# Altium PCB 6 Layers Motherboard.PcbDoc (part 1 of 2) (continued)
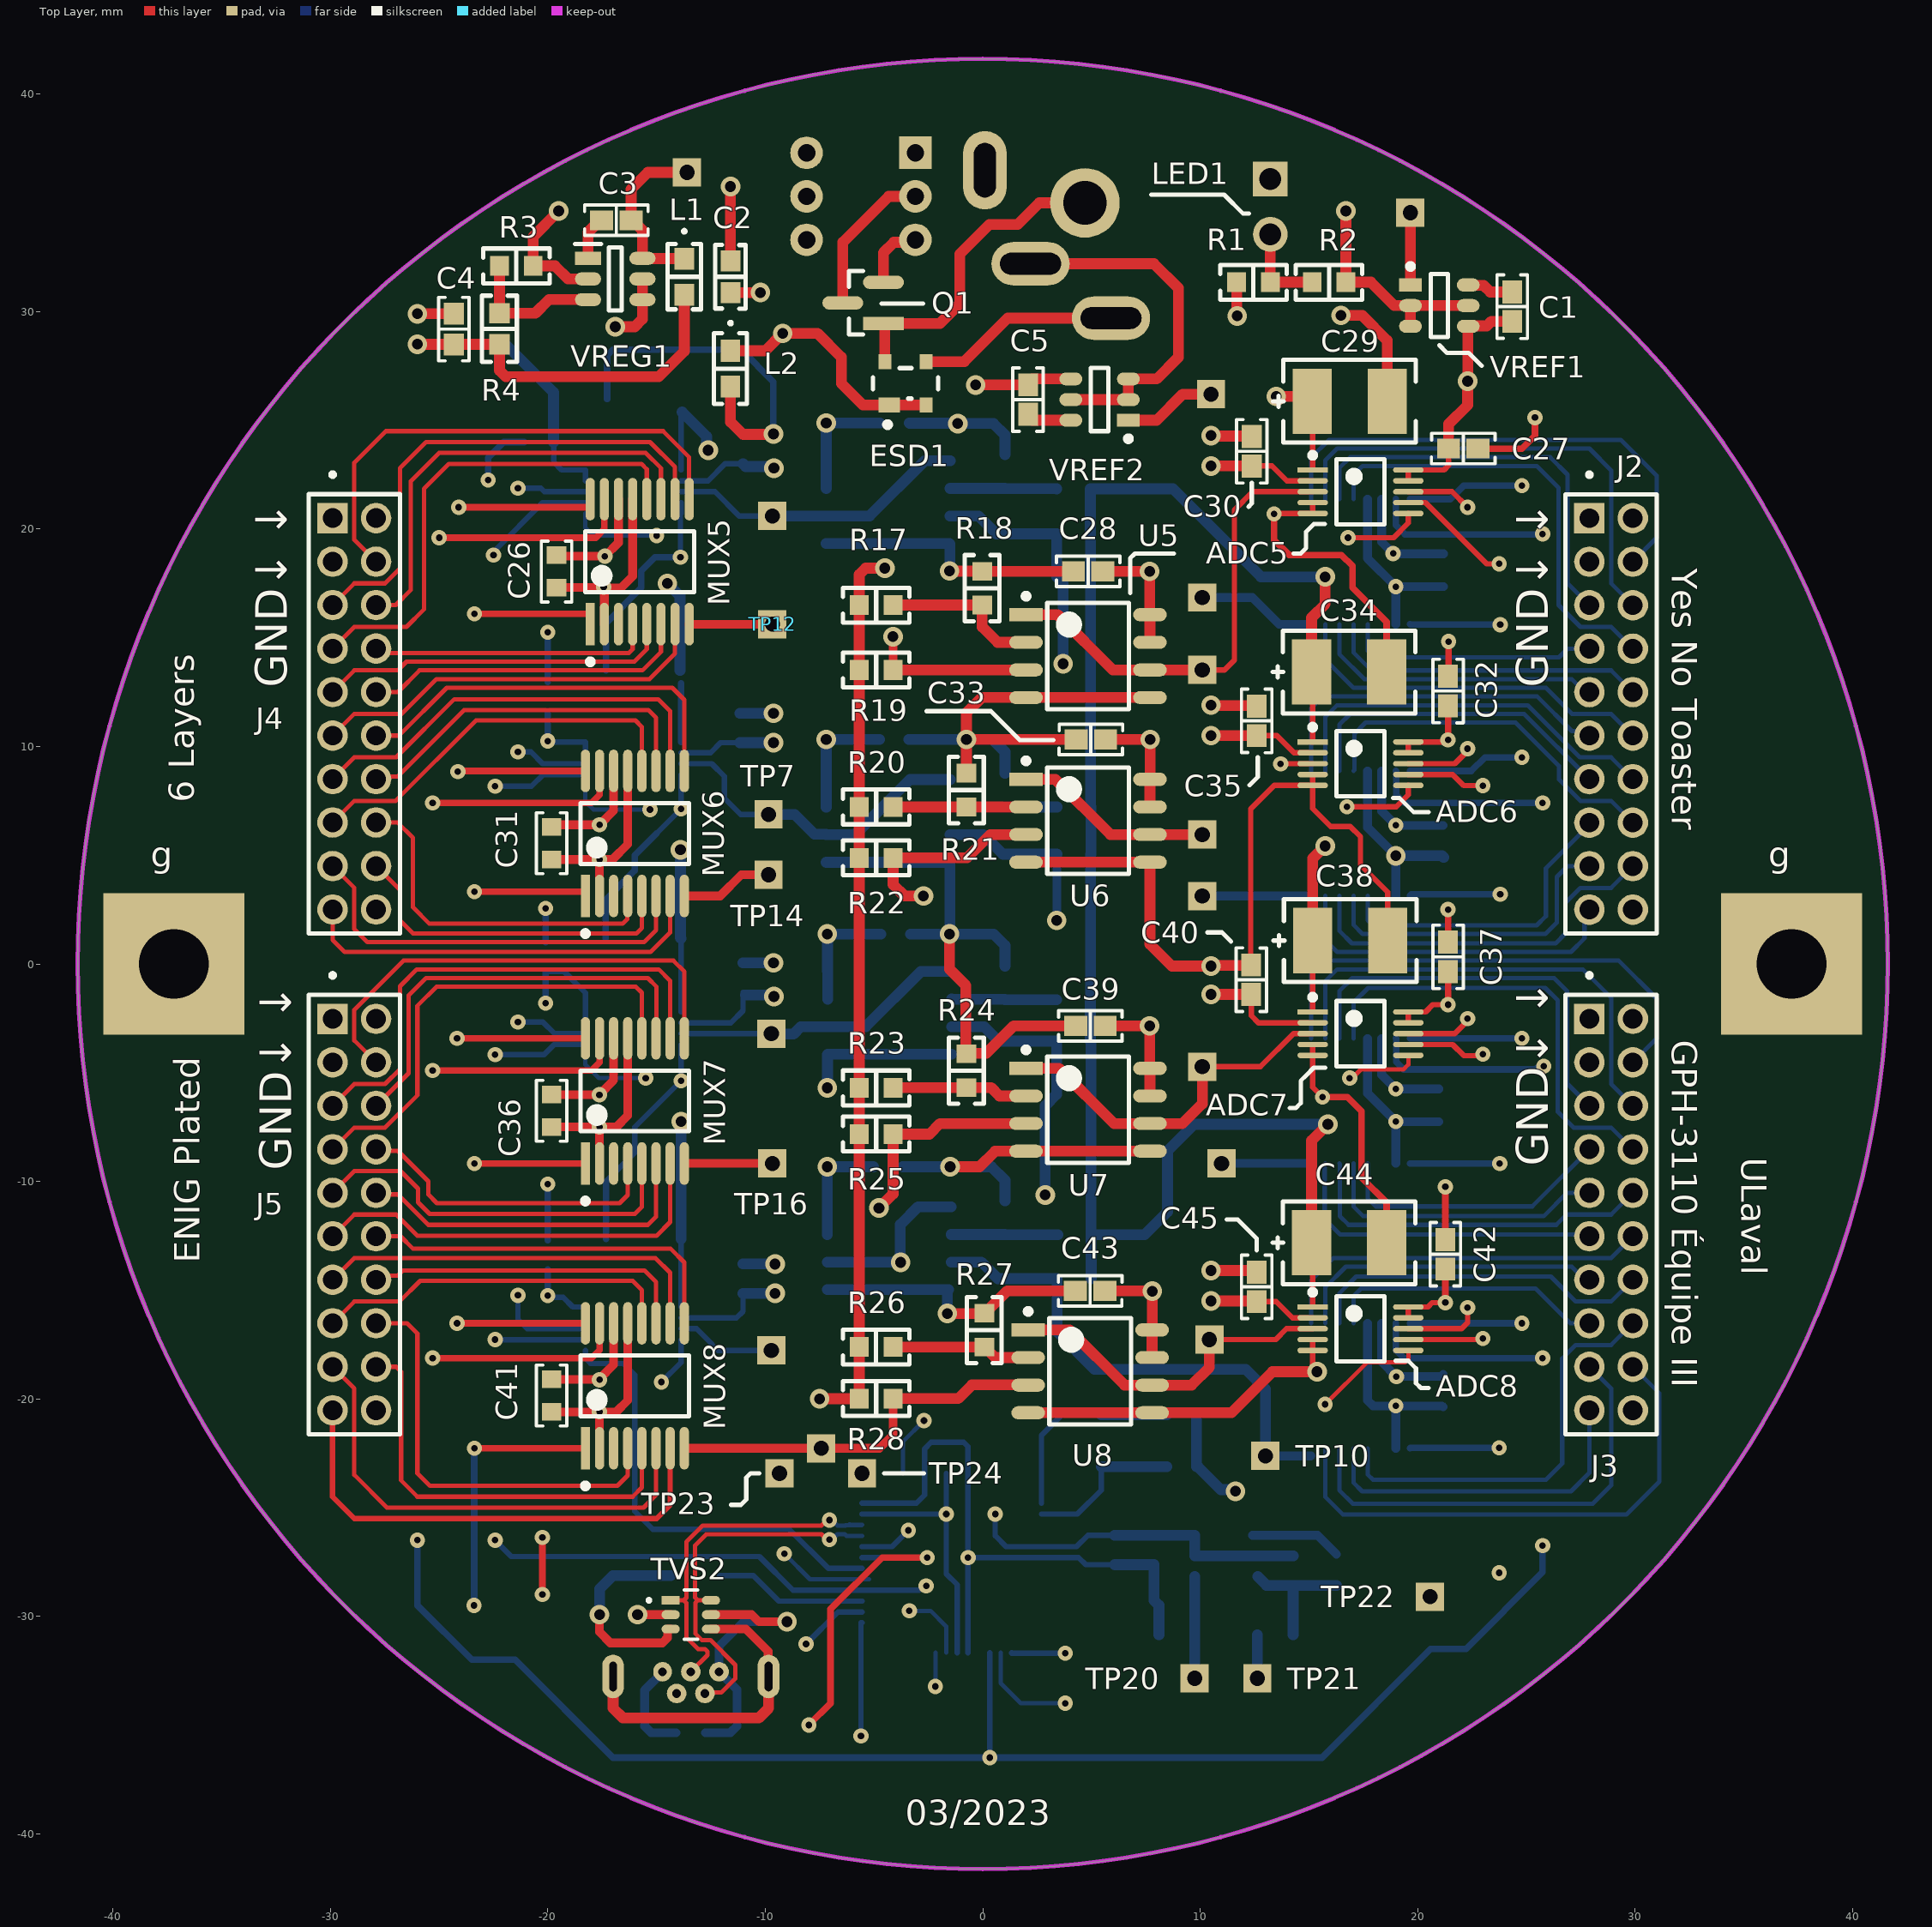
[diagram p0: Top Layer view]
## Part data (continued)
C10 C15 C20: library part "Cap Ceramic 1 uF SMT 0603", "1 µF ±10% 16V Ceramic Capacitor X7R 0603 (1608 Metric)", Case Code (Imperial)=0603, Dielectric=XR7, Max Operating Temperature=125°C, Min Operating Temperature=-55°C, Resistor Type=Ceramic, Supplier Part Number 1=13-CC0603KPX7R7BB105CT-ND, Tolerance=10%, Voltage Rating (DC)=16V, Construction=Flat, Height=0.8mm, Length=1.6mm, Supplier 1=Digi-Key, Supplier 2=Digi-Key, Supplier 3=Digi-Key, Supplier Part Number 2=13-CC0603KPX7R7BB105DKR-ND, Supplier Part Number 3=13-CC0603KPX7R7BB105TR-ND, Termination=SMT/SMD
C25 C30 C35 C40 C45: "1 µF ±10% 16V Ceramic Capacitor X7R 0603 (1608 Metric)", Case Code (Imperial)=0603, Dielectric=XR7, Max Operating Temperature=125°C, Min Operating Temperature=-55°C, Resistor Type=Ceramic, Supplier Part Number 1=13-CC0603KPX7R7BB105CT-ND, Tolerance=10%, Voltage Rating (DC)=16V, Construction=Flat, Height=0.8mm, Length=1.6mm, Supplier 1=Digi-Key, Supplier 2=Digi-Key, Supplier 3=Digi-Key, Supplier Part Number 2=13-CC0603KPX7R7BB105DKR-ND, Supplier Part Number 3=13-CC0603KPX7R7BB105TR-ND, Termination=SMT/SMD
C47: library part "Cap Ceramic 2.2 uF SMT 0603", "2.2 µF ±10% 6.3V Ceramic Capacitor X7R 0603 (1608 Metric)", Device Package="0603 (1608 Metric)", Manufacturer=Yageo, Operating Temperature="-55°C ~ 125°C", Supplier Part Number 1=311-1795-1-ND, Temperature Coefficient=X7R, Tolerance=±10%, Voltage - Rated=6.3V, Applications="General Purpose", ComponentLink1Description=Datasheet, ComponentLink2Description="DigiKey Link", ComponentLink2URL=https://www.digikey.com/en/products/detail/yageo/CC0603KRX7R5BB225/5195203, lastupdated="2023-03-06 20:08:32", Lifecycle Status=Active, Minimum Order=1, Mounting Type="Surface Mount, MLCC", Package / Case="0603 (1608 Metric)", Packaging=TapeAndReel, Part Number=CC0603KRX7R5BB225, Part Status=Active, partid=41539, price=0.01, Series=CC, Size / Dimension="0.063\" L x 0.031\" W (1.60mm x 0.80mm)", Supplier 1=Digi-Key, Supplier 2=Digi-Key, Supplier 3=Digi-Key, Supplier Part Number 2=311-1795-6-ND, Supplier Part Number 3=311-1795-2-ND, Thickness (Max)="0.035\" (0.90mm)"
C51 C52: library part "Cap Ceramic 20 pF SMT 0603", "20 pF ±5% 50V Ceramic Capacitor C0G, NP0 0603 (1608 Metric)", Capacitance="20 pF", Device Package="0603 (1608 Metric)", Manufacturer=Yageo, Operating Temperature="-55°C ~ 125°C", Supplier Part Number 1=311-1424-1-ND, Temperature Coefficient="C0G, NP0", Tolerance=±5%, Voltage - Rated=50V, Applications="General Purpose", ComponentLink1Description=Datasheet, ComponentLink1URL=https://www.yageo.com/upload/media/product/productsearch/datasheet/mlcc/UPY-GP_NP0_16V-to-50V_17.pdf, ComponentLink2Description="DigiKey Link", ComponentLink2URL=https://www.digikey.com/en/products/detail/yageo/CC0603JRNPO9BN200/2833589, lastupdated="2023-03-06 20:07:50", Lifecycle Status=Active, Minimum Order=1, Mounting Type="Surface Mount, MLCC", Package / Case="0603 (1608 Metric)", Packaging=TapeAndReel, Part Number=CC0603JRNPO9BN200, Part Status=Active, partid=16728, price=0.01, Series=CC, Size / Dimension="0.063\" L x 0.031\" W (1.60mm x 0.80mm)", Supplier 1=Digi-Key, Supplier 2=Digi-Key, Supplier 3=Digi-Key, Supplier Part Number 2=311-1424-6-ND, Supplier Part Number 3=311-1424-2-ND, Thickness (Max)="0.035\" (0.90mm)"
D1: library part "Schottky Diode 30V", "Schottky Diode 30 V 500mA Surface Mount SOD-323", Capacitance @ Vr, F="10pF @ 1V, 1MHz", Current - Average Rectified (Io)="500mA (DC)", Current - Reverse Leakage @ Vr="200µA @ 30V", Manufacturer="ON Semiconductor", Operating Temperature - Junction="-55°C ~ 150°C", Package / Case="SC-76, SOD-323", Supplier Device Package=SOD-323, Supplier Part Number 1=NSR0530HT1GOSCT-ND, Voltage - DC Reverse (Vr) (Max)=30V, Voltage - Forward (Vf) (Max) @ If="620mV @ 500mA", ComponentLink1Description=Datasheet, ComponentLink1URL=http://www.onsemi.com/pub/Collateral/NSR0530H-D.PDF, ComponentLink2Description="DigiKey Link", ComponentLink2URL=http://digikey.com/product-detail/en/on-semiconductor/NSR0530HT1G/NSR0530HT1GOSCT-ND/5761654, Diode Type=Schottky, lastupdated="2023-03-06 21:08:52", Lifecycle Status=Active, Minimum Order=1, Mounting Type="Surface Mount", Packaging=TapeAndReel, Part Number=NSR0530HT1G, Part Status=Active, partid=3077, price=0.03, Series=-, Speed="Fast Recovery =< 500ns, > 200mA (Io)", Supplier 1=Digi-Key, Supplier 2=Digi-Key, Supplier 3=Digi-Key, Supplier Part Number 2=NSR0530HT1GOSDKR-ND, Supplier Part Number 3=NSR0530HT1GOSTR-ND
ESD1: library part "TVS Diode Array Ultra-Low Capacitance", "Clamp Ipp Tvs Diode Surface Mount SOT-143B", Supplier Part Number 1=1727-3884-1-ND, Supplier 1=Digi-Key, Supplier 2=Digi-Key, Supplier 3=Digi-Key, Supplier Part Number 2=1727-3884-6-ND, Supplier Part Number 3=1727-3884-2-ND
FB1 FB2: library part "Ferrite Bead 0R SMD 0603", "0Ω 1 Power Line Ferrite Bead 0603 (1608 Metric) 6A 20mOhm", Current Rating (Max)=6A, DC Resistance (DCR) (Max)=20mOhm, Device Package="0603 (1608 Metric)", Impedance @ Frequency="0 Ohms @ 100 MHz", Manufacturer="Eaton - Electronics Division", Operating Temperature="-40°C ~ 85°C", Supplier Part Number 1=283-MFBM1V1608-000-RCT-ND, ComponentLink1Description=Datasheet, ComponentLink1URL=https://www.eaton.com/content/dam/eaton/products/electronic-components/resources/data-sheet/eaton-mfbm1v1608-high-current-multilayer-ferrite-chip-bead-data-sheet.pdf, ComponentLink2Description="DigiKey Link", ComponentLink2URL=https://www.digikey.com/en/products/detail/eaton-electronics-division/MFBM1V1608-000-R/13161356, Filter Type="Power Line", Height (Max)="0.039\" (1.00mm)", lastupdated="2023-03-12 7:51:35 PM", Lifecycle Status=Active, Minimum Order=1, Mounting Type="Surface Mount", Number of Lines=1, Package / Case="0603 (1608 Metric)", Packaging=TapeAndReel, Part Number=MFBM1V1608-000-R, Part Status=Active, partid=2605, price=0.01, Series=MFBM1V1608, Size / Dimension="0.063\" L x 0.031\" W (1.60mm x 0.80mm)", Supplier 1=Digi-Key, Supplier 2=Digi-Key, Supplier Part Number 2=283-MFBM1V1608-000-RDKR-ND
J1: library part "DC Power Jack 2.5 mm Vertical", "Power Barrel Connector Jack 2.50mm ID (0.098\"), 5.50mm OD (0.217\") Through Hole", Current Rating=5A, Max Operating Temperature=85°C, Min Operating Temperature=-25°C, Supplier Part Number 1=102-5562-1-ND, Voltage Rating=25V, Contact Material="Brass, Copper Alloy", Contact Material - Plating=Silver, Housing Material="Polyamide (PA10T), Nylon 10T", Shielding=Shielded, Supplier 1=Digi-Key, Supplier 2=Digi-Key, Supplier Part Number 2=102-5562-2-ND
J2 J3 J4 J5: library part "Headers 20 Pos TH 0.079\" 4-3", "Connector Header Through Hole 20 position 0.079\" (2.00mm)", Supplier Part Number 1=2073-BF050-20-A-B-0400-0300-L-G-ND, Supplier 1=Digi-Key
L1 L2: library part "Inductor 4.7 µH SMT 0603", "4.7 µH Shielded Multilayer Inductor 15 mA 2.1Ohm Max 0603 (1608 Metric)", Case Code (Imperial)=1206, Max Operating Temperature=125°C, Min Operating Temperature=-55°C, Self Resonant Frequency=41MHz, Supplier Part Number 1=541-4369-1-ND, Tolerance=10%, ComponentLink1Description=Datasheet, ComponentLink1URL=https://www.vishay.com/docs/34029/ilsb1206.pdf, Core Material=Ferrite, Depth=1.8mm, Supplier 1=Digi-Key, Supplier 2=Digi-Key, Supplier Part Number 2=541-4369-6-ND, Weight=0.000353oz, Width=1.6mm
LED1: library part "LED Green 3mm Vertical", "Green 530nm LED Indication - Discrete 3.2V Radial", Operating Voltage=3.2V, Supplier Part Number 1=732-5012-ND, Supplier 1=Digi-Key
M1 M2: library part "Standoff M3 7mm", "Hex Standoff Threaded M3x0.5 Brass 0.276\" (7.00mm)", Supplier Part Number 1=952-1498-ND, Supplier 1=Digi-Key
MUX1 MUX2 MUX3 MUX4 MUX5 MUX6 MUX7 MUX8: library part "MUX Analog 8:1", "5-V, 8: 1, 1-channel general-purpose analog multiplexer with 1.8-V input logic 16-TSSOP -40 to 125", Supplier Part Number 1=296-51847-1-ND, ComponentLink1Description=Datasheet, ComponentLink1URL=https://www.ti.com/lit/ds/symlink/tmux1208.pdf?HQS=dis-dk-null-digikeymode-dsf-pf-null-wwe&ts=1678139087624&ref_url=https%253A%252F%252Fwww.ti.com%252Fgeneral%252Fdocs%252Fsuppproductinfo.tsp%253FdistId%253D10%2526gotoUrl%253Dhttps%253A%252F%252Fwww.ti.com%252Flit%252Fgpn%252Ftmux1208, Supplier 1=Digi-Key, Supplier 2=Digi-Key, Supplier 3=Digi-Key, Supplier Part Number 2=296-51847-6-ND, Supplier Part Number 3=296-51847-2-ND
Q1: library part "MOSFET P-Channel 30V SMD", "P-Channel 30 V 2.3A (Ta) 1.25W (Ta) Surface Mount Micro3™/SOT-23", Current - Continuous Drain (Id) @ 25°C="2.3A (Ta)", Drain to Source Voltage (Vdss)="30 V", Drive Voltage (Max Rds On,  Min Rds On)="4.5V, 10V", Input Capacitance (Ciss) (Max) @ Vds="160 pF @ 25 V", Manufacturer="Infineon Technologies", Operating Temperature="-55°C ~ 150°C (TJ)", Package / Case="TO-236-3, SC-59, SOT-23-3", Power Dissipation (Max)="1.25W (Ta)", Supplier Device Package=Micro3™/SOT-23, Supplier Part Number 1=IRLML9303TRPBFCT-ND, ComponentLink1Description=Datasheet, ComponentLink1URL=https://www.infineon.com/dgdl/irlml9303pbf.pdf?fileId=5546d462533600a401535668ef1d2642, ComponentLink2Description="DigiKey Link", ComponentLink2URL=https://www.digikey.com/en/products/detail/infineon-technologies/IRLML9303TRPBF/2354147, FET Type=P-Channel, Gate Charge (Qg) (Max) @ Vgs="2 nC @ 4.5 V", lastupdated="2023-03-05 21:05:43", Lifecycle Status=Active, Minimum Order=1, Mounting Type="Surface Mount", Packaging=TapeAndReel, Part Number=IRLML9303TRPBF, Part Status=Active, price=0.11, Rds On (Max) @ Id, Vgs="165mOhm @ 2.3A, 10V", Series=HEXFET®, Supplier 1=Digi-Key, Supplier 2=Digi-Key, Supplier 3=Digi-Key, Supplier Part Number 2=IRLML9303TRPBFDKR-ND, Supplier Part Number 3=IRLML9303TRPBFTR-ND, Technology="MOSFET (Metal Oxide)", Vgs (Max)=±20V, Vgs(th) (Max) @ Id="2.4V @ 10µA"
R1: library part "Res 2K61 1% SMT 0603", "2.61 kOhms ±1% 0.1W, 1/10W Chip Resistor 0603 (1608 Metric) Moisture Resistant Thick Film", Device Package="0603 (1608 Metric)", Manufacturer=Yageo, Operating Temperature="-55°C ~ 155°C", Power (Watts)="0.1W, 1/10W", Resistance=2K61, Supplier Device Package=0603, Supplier Part Number 1=311-2.61KHRCT-ND, Temperature Coefficient=±100ppm/°C, Tolerance=±1%, ComponentLink1Description=Datasheet, ComponentLink1URL=https://www.yageo.com/upload/media/product/productsearch/datasheet/rchip/PYu-RC_Group_51_RoHS_L_10.pdf, ComponentLink2Description="DigiKey Link", ComponentLink2URL=https://www.digikey.com/en/products/detail/yageo/RC0603FR-072K61L/727030, Composition="Thick Film", Features="Moisture Resistant", Height - Seated (Max)="0.022\" (0.55mm)", lastupdated="2023-03-10 20:29:10", Lifecycle Status=Active, Minimum Order=1, Number of Terminations=2, Package / Case="0603 (1608 Metric)", Packaging=CutTape, Part Number=RC0603FR-072K61L, Part Status=Active, partid=19094, price=0.01, Series=RC_L, Size / Dimension="0.063\" L x 0.031\" W (1.60mm x 0.80mm)", Supplier 1=Digi-Key, Supplier 2=Digi-Key, Supplier 3=Digi-Key, Supplier Part Number 2=311-2.61KHRDKR-ND, Supplier Part Number 3=311-2.61KHRTR-ND
R2: library part "Res 4K64 1% SMT 0603", "4.64 kOhms ±1% 0.1W, 1/10W Chip Resistor 0603 (1608 Metric) Moisture Resistant Thick Film", Device Package="0603 (1608 Metric)", Manufacturer=Yageo, Operating Temperature="-55°C ~ 155°C", Power (Watts)="0.1W, 1/10W", Resistance=4K64, Supplier Device Package=0603, Supplier Part Number 1=311-4.64KHRCT-ND, Temperature Coefficient=±100ppm/°C, Tolerance=±1%, ComponentLink1Description=Datasheet, ComponentLink1URL=https://www.yageo.com/upload/media/product/productsearch/datasheet/rchip/PYu-RC_Group_51_RoHS_L_10.pdf, ComponentLink2Description="DigiKey Link", ComponentLink2URL=https://www.digikey.com/en/products/detail/yageo/RC0603FR-074K64L/727211, Composition="Thick Film", Features="Moisture Resistant", Height - Seated (Max)="0.022\" (0.55mm)", lastupdated="2023-03-10 20:29:36", Lifecycle Status=Active, Minimum Order=1, Number of Terminations=2, Package / Case="0603 (1608 Metric)", Packaging=CutTape, Part Number=RC0603FR-074K64L, Part Status=Active, partid=12437, price=0.01, Series=RC_L, Size / Dimension="0.063\" L x 0.031\" W (1.60mm x 0.80mm)", Supplier 1=DigiKey
R3: "RES 22.1K OHM 1% 1/10W 0603", Device Package="0603 (1608 Metric)", Manufacturer=Yageo, Operating Temperature="-55°C ~ 155°C", Part Number=RC0603FR-0722K1L, Power (Watts)="0.1W, 1/10W", Resistance=22K1, Supplier Device Package=0603, Supplier Part Number 1=311-22.1KHRCT-ND, Temperature Coefficient=±100ppm/°C, Tolerance=±1%, ComponentLink1Description=Datasheet, ComponentLink1URL=https://www.yageo.com/upload/media/product/productsearch/datasheet/rchip/PYu-RC_Group_51_RoHS_L_10.pdf, ComponentLink2Description="DigiKey Link", ComponentLink2URL=https://www.digikey.com/en/products/detail/yageo/RC0603FR-0722K1L/727058, Composition="Thick Film", Features="Moisture Resistant", Height - Seated (Max)="0.022\" (0.55mm)", lastupdated="2023-03-08 20:29:23", Lifecycle Status=Active, Minimum Order=1, Number of Terminations=2, Package / Case="0603 (1608 Metric)", Packaging=CutTape, Part Status=Active, partid=19017, price=0.01, Series=RC_L, Size / Dimension="0.063\" L x 0.031\" W (1.60mm x 0.80mm)", Supplier 1=Digi-Key, Supplier 2=Digi-Key, Supplier 3=Digi-Key, Supplier Part Number 2=311-22.1KHRDKR-ND, Supplier Part Number 3=311-22.1KHRTR-ND
R4: "88.7 kΩ ±1% 0.1W, 1/10W Chip Resistor 0603 (1608 Metric) Automotive AEC-Q200 Thick Film", Device Package="0603 (1608 Metric)", Manufacturer="Vishay Dale", Operating Temperature="-55°C ~ 155°C", Part Number=CRCW060388K7FKEB, Power (Watts)="0.1W, 1/10W", Ratings=AEC-Q200, Resistance=88K7, Supplier Device Package=0603, Supplier Part Number 1=541-CRCW060388K7FKEBCT-ND, Temperature Coefficient=±100ppm/°C, Tolerance=±1%, ComponentLink1Description=Datasheet, ComponentLink1URL=http://www.vishay.com/docs/20035/dcrcwe3.pdf, ComponentLink2Description="DigiKey Link", ComponentLink2URL=https://www.digikey.com/en/products/detail/vishay-dale/CRCW060388K7FKEB/5073407, Composition="Thick Film", Features="Automotive AEC-Q200", Height - Seated (Max)="0.020\" (0.50mm)", lastupdated="2023-03-06 20:27:22", Lifecycle Status=Active, Minimum Order=1, Number of Terminations=2, Package / Case="0603 (1608 Metric)", Packaging=CutTape, Part Status=Active, partid=56612, price=0.01, Series=CRCW, Size / Dimension="0.063\" L x 0.033\" W (1.60mm x 0.85mm)", Supplier 1=Digi-Key, Supplier 2=Digi-Key, Supplier Part Number 2=541-CRCW060388K7FKEBDKR-ND
R5 R6 R7 R8 R9 R10 R11 R12 R13 R14 R15 R16 R17 R18 R19 R20 R21 R22 R23 R24 R25 R26 R27 R28: "10 kΩ  ±0.1% 0.1W, 1/10W Chip Resistor 0603 (1608 Metric) Thin Film", Device Package="0603 (1608 Metric)", Manufacturer=Yageo, Operating Temperature="-55°C ~ 155°C", Part Number=RT0603BRD0710KL, Power (Watts)="0.1W, 1/10W", Resistance=10K, Supplier Device Package=0603, Supplier Part Number 1=YAG1236CT-ND, Temperature Coefficient=±25ppm/°C, Tolerance=±0.1%, ComponentLink1Description=Datasheet, ComponentLink1URL=https://www.yageo.com/upload/media/product/productsearch/datasheet/rchip/PYu-RT_1-to-0.01_RoHS_L_11.pdf, ComponentLink2Description="DigiKey Link", ComponentLink2URL=https://www.digikey.com/en/products/detail/yageo/RT0603BRD0710KL/1072198, Composition="Thin Film", Height - Seated (Max)="0.022\" (0.55mm)", lastupdated="2023-03-06 20:27:57", Lifecycle Status=Active, Minimum Order=1, Number of Terminations=2, Package / Case="0603 (1608 Metric)", Packaging=TapeAndReel, Part Status=Active, partid=22611, price=0.03, Series=RT, Size / Dimension="0.063\" L x 0.031\" W (1.60mm x 0.80mm)", Supplier 1=Digi-Key, Supplier 2=Digi-Key, Supplier 3=Digi-Key, Supplier Part Number 2=YAG1236DKR-ND, Supplier Part Number 3=YAG1236TR-ND
S1: library part "SW DPDT Pushbutton V2", "Pushbutton Switch DPDT Standard Through Hole", Supplier Part Number 1=EG6030-ND, Code_IPC=SOT26A-6, Code_JEITA=SC-74, LatestRevisionDate=29-May-2009, LatestRevisionNote="IPC-7351 Footprint Added.", PackageDescription="6-Pin SOT-23 Package 0.95 mm Pitch, 2.7 mm Lead Span", PackageReference=SOT23-6, PackageVersion=Mar-2001, Published=24-Mar-1999, Publisher="Altium Limited", Supplier 1=Digi-Key
TVS2: "25V Clamp 6A (8/20µs) Ipp Tvs Diode Surface Mount SC-70-6", Supplier Part Number 1=RCLAMP0504FATCTCT-ND, Supplier 1=Digi-Key, Supplier 2=Digi-Key, Supplier 3=Digi-Key, Supplier Part Number 2=RCLAMP0504FATCTDKR-ND, Supplier Part Number 3=RCLAMP0504FATCTTR-ND
U1 U2 U3: library part "Instrumentation Op Amp 35 MHz 8 pins", "Instrumentation Amplifier 1 Circuit Rail-to-Rail 8-SOIC", Supplier Part Number 1=MCP6N11-100E/SN-ND, Supplier 1=Digi-Key
U4 U5 U6 U7 U8: "Instrumentation Amplifier 1 Circuit Rail-to-Rail 8-SOIC", Supplier Part Number 1=MCP6N11-100E/SN-ND, Supplier 1=Digi-Key
USB1: library part "USB Micro-AB Connector A", "USB - Micro AB 2.0 Receptacle Connector 5 Position, Vertical, Through Hole with 2.30 mm (Standard) Shell Stakes, 5-Pin THD, RoHS, Tape and Reel", Supplier Part Number 1=18X0232, Supplier 1=Newark
VREF1 VREF3: "Series Voltage Reference IC Fixed 3.3V V ±0.1% 20 mA SOT-23-6", Case/Package=SOT-23-6, Max Operating Temperature=125°C, Min Operating Temperature=-40°C, Min Output Voltage=3.3V, Operating Supply Current=550μA, Output Current=20mA, Supplier Part Number 1=MCP1501T-33E/CHYCT-ND, Temperature Coefficient=50ppm/°C, Tolerance=0.08%, ComponentLink1Description=Datasheet, ComponentLink1URL=https://ww1.microchip.com/downloads/aemDocuments/documents/MSLD/ProductDocuments/DataSheets/MCP1501-Data-Sheet-DS20005474F.pdf, Output Type=Fixed, Reference Type=Series, Supplier 1=Digi-Key, Supplier 2=Digi-Key, Supplier 3=Digi-Key, Supplier Part Number 2=MCP1501T-33E/CHYDKR-ND, Supplier Part Number 3=MCP1501T-33E/CHYTR-ND
VREF2: "Series Voltage Reference IC Fixed 1.8V V ±0.1% 20 mA SOT-23-6", Case/Package=SOT-23-6, Max Operating Temperature=125°C, Min Operating Temperature=-40°C, Min Output Voltage=1.8V, Operating Supply Current=550μA, Output Current=20mA, Supplier Part Number 1=MCP1501T-18E/CHYCT-ND, Temperature Coefficient=50ppm/°C, Tolerance=0.08%, ComponentLink1Description=Datasheet, ComponentLink1URL=https://ww1.microchip.com/downloads/aemDocuments/documents/MSLD/ProductDocuments/DataSheets/MCP1501-Data-Sheet-DS20005474F.pdf, Output Type=Fixed, Reference Type=Series, Supplier 1=Digi-Key, Supplier 2=Digi-Key, Supplier Part Number 2=MCP1501T-18E/CHYDKR-ND
VREG1: "Buck Switching Regulator IC Positive Adjustable 1V 1 Output 1A SOT-23-6", Arrow Part Number=LMR50410YFQDBVRQ1, Manufacturer_Name="Texas Instruments", Mouser Part Number=595-MR50410YFQDBVRQ1, Supplier Part Number 1=296-LMR50410YFQDBVRQ1CT-ND, Arrow Price/Stock=https://www.arrow.com/en/products/lmr50410yfqdbvrq1/texas-instruments?region=nac, Datasheet Link=https://www.ti.com/product/LMR50410-Q1, Height=1.45mm, Manufacturer_Part_Number=LMR50410YFQDBVRQ1, Mouser Price/Stock=https://www.mouser.co.uk/ProductDetail/Texas-Instruments/LMR50410YFQDBVRQ1?qs=81r%252BiQLm7BRUAgUFqYZycA%3D%3D, Supplier 1=Digi-Key, Supplier 2=Digi-Key, Supplier 3=Digi-Key, Supplier Part Number 2=296-LMR50410YFQDBVRQ1DKR-ND, Supplier Part Number 3=296-LMR50410YFQDBVRQ1TR-ND
Y1: library part "Crystal Abracon ABS07", "32.768 kHz ±20ppm Crystal 6pF 55 kOhms 2-SMD, No Lead", ESR (Equivalent Series Resistance)="55 kOhms", Frequency="32.768 kHz", Frequency Tolerance=±20ppm, Load Capacitance=6pF, Manufacturer="Abracon LLC", Operating Mode=Fundamental, Operating Temperature="-40°C ~ 85°C", Package / Case="2-SMD, No Lead", Supplier Part Number 1=535-11937-1-ND, ComponentLink1Description=Datasheet, ComponentLink1URL=https://abracon.com/Resonators/ABS07-120-32.768kHz-T.pdf, ComponentLink2Description="DigiKey Link", ComponentLink2URL=https://www.digikey.com/en/products/detail/abracon-llc/ABS07-120-32-768KHZ-T/3724043, Height - Seated (Max)="0.035\" (0.90mm)", lastupdated="2023-03-06 20:57:22", Lifecycle Status=Active, Minimum Order=1, Mounting Type="Surface Mount", Packaging=TapeAndReel, Part Number=ABS07-120-32.768KHZ-T, Part Status=Active, partid=385, price=0.44, Series=ABS07, Size / Dimension="0.126\" L x 0.059\" W (3.20mm x 1.50mm)", Supplier 1=Digi-Key, Supplier 2=Digi-Key, Supplier 3=Digi-Key, Supplier Part Number 2=535-11937-6-ND, Supplier Part Number 3=535-11937-2-ND, Type="kHz Crystal (Tuning Fork)"

## Via types
v1: diameter 0.7, hole 0.3, Top Layer to Bottom Layer, 108 vias
v2: diameter 0.9, hole 0.5, Top Layer to Bottom Layer, 66 vias

## Nets (pads, with @x,y where several pads share a name; then routed paths per layer and width w, separated by ;. In a path a pad name is that pad's centre, name@x,y a point inside that pad or via, vN(x,y) a via of type N, cw(c..) or ccw(c..) an arc to the next point about the centre after c; other vN are vias at no path point)
+1.8: ADC1.2 ADC2.2 ADC3.2 ADC4.2 ADC5.2 ADC6.2 ADC7.2 ADC8.2 C10.1 C15.1 C20.1 C25.1 C30.1 C35.1 C40.1 C45.1 TP2.1 VREF2.1 | length 84.4
  Top Layer w0.25: C40.1@12.35,-1.402 12.35,-2.375 12.681,-2.706 ADC7.2@15.175,-2.706 ; C30.1@12.375,22.898 13.302,22.898 13.984,22.216 ADC5.2@15.175,22.216 ; C45.1@12.6,-15.527 13.502,-15.527 14.25,-16.275 ADC8.2@15.175,-16.275 ; C35.1@12.6,10.498 13.527,10.498 14.314,9.711 ADC6.2@15.175,9.711
  Top Layer w0.5: VREF2.1@6.7,25.002 8.002,25.002 9.2,26.2 TP2.1@10.5,26.2 ; v2(10.5,-15.5) C45.1@12.573,-15.5 ; v2@10.501,-1.401 C40.1@12.35,-1.402 ; v2(10.5,10.5) 10.501,10.499 C35.1@12.599,10.499 ; v2@10.501,22.899 C30.1@12.375,22.898
  Int2 (Sign) w0.5: v2@-9.55,-1.45 v2@10.45,-1.45 ; v2@-9.55,22.85 v2@10.45,22.85
  Bottom Layer w0.25: ADC4.2@-13.875,-16.277 -11.327,-16.277 -11.025,-15.975 C25.1@-11.025,-15.152 ; ADC3.2@-13.875,-2.706 -11.581,-2.706 -11.025,-2.15 C20.1@-11.025,-1.302 ; ADC2.2@-13.875,9.711 -12.514,9.711 -12.052,10.173 C15.1@-11.175,10.173 ; ADC1.2@-13.875,22.216 -12.634,22.216 -11.852,22.998 C10.1@-11.025,22.998
  Bottom Layer w0.5: C15.1@-11.175,10.173 -11.174,10.174 v2@-9.626,10.174 ; C10.1@-11.025,22.998 -10.904,22.877 v2@-9.677,22.877 ; C25.1@-11.024,-15.151 v2(-9.55,-15.15) ; C20.1@-10.904,-1.423 v2@-9.677,-1.423
  other v2: -9.6,-1.5 10.5,-1.4 -9.625,10.175 -9.6,22.8 10.5,22.9
+3.3: ADC1.1 ADC2.1 ADC3.1 ADC4.1 ADC5.1 ADC6.1 ADC7.1 ADC8.1 C9.2 C14.2 C19.2 C24.2 C29.2 C34.2 C38.2 C44.2 R5.1 R7.1 R8.1 R10.1 R11.1 R13.1 R14.1 R16.1 R17.1 R19.1 R20.1 R22.1 R23.1 R25.1 R26.1 R28.1 TP1.1 VREF1.1 | length 237.8
  Top Layer w0.25: C34.2@15.15,12.95 15.175,12.925 ADC6.1@15.175,10.211 ; ADC8.1@15.175,-15.775 C44.2@15.175,-12.875 ; ADC7.1@15.175,-2.206 C38.2@15.175,1.075 ; ADC5.1@15.175,22.716 C29.2@15.175,25.25
  Top Layer w0.5: v2@-7.495,-19.995 R28.1@-5.682,-19.995 ; R28.1@-5.677,-19.99 -5.678,-17.616 R26.1@-5.679,-17.615 -5.678,-17.614 R25.1@-5.677,-7.825 ; R25.1@-5.677,-7.825 R23.1@-5.677,-5.7 R22.1@-5.677,4.875 R20.1@-5.677,7.22 R19.1@-5.677,13.52 R17.1@-5.677,16.502 -5.677,17.907 -5.384,18.2 v2(-4.5,18.2) ; v2(13.5,26.1) 14.525,26.1 C29.2@14.725,26.3 ; C44.2@15.125,-12.825 15.125,-8.125 v2(15.875,-7.375) ; C34.2@15.125,13.425 15.125,15.925 15.75,16.55 v2(15.75,17.8) ; C38.2@15.175,1.075 15.175,4.85 v2(15.75,5.425) ; VREF1.1@19.671,31.229 TP1.1@19.671,34.546
  Int2 (Sign) w0.5: v2(-13.875,-7.25) -13.875,-18.225 -12.1,-20 v2(-7.5,-20) ; v2(-12.625,23.625) -12.625,21.025 -9.8,18.2 v2(-4.5,18.2) -4.5,19.193 -2.993,20.7 9.9,20.7 12.8,17.8 v2(15.75,17.8) 15.75,20.95 13.5,23.2 13.5,29.3 15.55,31.35 18.133,31.35 19.671,32.888 TP1.1@19.671,34.546
  Bottom Layer w0.25: ADC4.1@-13.875,-15.777 C24.2@-13.875,-12.65 ; ADC3.1@-13.875,-2.206 C19.2@-13.875,0.925 ; ADC1.1@-13.875,22.716 C9.2@-13.875,25.35
  Bottom Layer w0.3: ADC2.1@-13.875,10.211 C14.2@-13.875,12.9
  Bottom Layer w0.5: v2(-14.5,17.5) -13.925,16.925 C14.2@-13.925,13.5 ; v2(-13.9,5.25) -13.9,1.2 C19.2@-13.875,1.175 ; C24.2@-13.875,-12.65 v2(-13.875,-7.25) ; C9.2@-13.825,25.375 -12.702,24.252 v2@-12.702,23.702 ; R10.1@4.964,5.038 4.964,-1.637 R11.1@4.952,-1.65 R13.1@4.952,-3.55 4.977,-3.575 4.977,-12.425 R14.1@5.002,-12.45 ; R16.1@4.977,-14.475 4.989,-14.462 4.989,-12.463 R14.1@5.002,-12.45 ; R10.1@4.977,5.05 R8.1@4.977,7.22 4.964,7.232 4.964,19.763 R7.1@4.952,19.775 R5.1@4.952,21.85 8.75,21.85 12.8,17.8 v2(15.75,17.8) ; v2(15.875,-7.375) 9.725,-7.375 8.5,-8.6 8.5,-11.4 7.45,-12.45 R14.1@5.002,-12.45
+5: ADC1.9 ADC1.10 ADC2.9 ADC2.10 ADC3.9 ADC3.10 ADC4.9 ADC4.10 ADC5.9 ADC5.10 ADC6.9 ADC6.10 ADC7.9 ADC7.10 ADC8.9 ADC8.10 C1.2 C4.2 C5.2 C6.2 C7.1 C8.1 C11.2 C12.1 C13.1 C16.2 C17.1 C18.1 C21.2 C22.1 C23.1 C26.2 C27.1 C28.1 C31.2 C32.1 C33.1 C36.2 C37.1 C39.1 C41.2 C42.1 C43.1 L1.2 MUX1.2 MUX1.13 MUX2.2 MUX2.13 MUX3.2 MUX3.13 MUX4.2 MUX4.13 MUX5.2 MUX5.13 MUX6.2 MUX6.13 MUX7.2 MUX7.13 MUX8.2 MUX8.13 R1.1 R4.2 U1.7 U1.8 U2.7 U2.8 U3.7 U3.8 U4.7 U4.8 U5.7 U5.8 U6.7 U6.8 U7.7 U7.8 U8.7 U8.8 VREF1.4 VREF2.4 | length 197.4
  Top Layer w0.25: ADC8.9@19.575,-16.275 ADC8.10@19.575,-15.775 20.475,-15.775 20.675,-15.575 v1(21.275,-15.575) ; ADC7.9@19.575,-2.706 ADC7.10@19.575,-2.206 20.369,-2.206 20.7,-1.875 v1(21.4,-1.875) ; ADC6.9@19.575,9.711 ADC6.10@19.575,10.211 21.189,10.211 21.278,10.3 v1(21.4,10.3) ; ADC5.9@19.575,22.216 ADC5.10@19.575,22.716 21.216,22.716 21.423,22.923 C27.1@21.423,23.7
  Top Layer w0.3: v1(21.275,-15.575) C42.1@21.275,-14.027 ; v1(21.4,-1.875) C37.1@21.4,-0.352 ; v1(21.4,10.3) C32.1@21.4,11.873
  Top Layer w0.4: C41.2@-19.825,-20.6 v1(-17.625,-20.6) ; C36.2@-19.825,-7.5 v1(-17.625,-7.5) ; C31.2@-19.825,4.8 v1(-17.625,4.8) ; C26.2@-19.6,17.299 -19.584,17.315 v1@-17.449,17.315 ; MUX8.2@-17.625,-22.725 MUX8.2@-17.625,-22.275 v1(-17.625,-20.6) ; MUX7.2@-17.625,-9.625 MUX7.2@-17.625,-9.175 v1(-17.625,-7.5) ; MUX6.2@-17.625,2.675 MUX6.2@-17.625,3.125 v1(-17.625,4.8) ; MUX5.2@-17.4,15.623 -17.4,17.299 -16.625,17.299 -16.1,17.824 MUX5.13@-16.1,21.374 ; MUX8.13@-16.325,-16.525 -16.325,-20.075 -16.85,-20.6 v1(-17.625,-20.6) ; MUX7.13@-16.325,-3.425 -16.325,-6.975 -16.85,-7.5 v1(-17.625,-7.5) ; MUX6.13@-16.325,8.875 -16.325,5.5 -17.025,4.8 v1(-17.625,4.8)
  Top Layer w0.5: v2@-25.996,28.496 -24.329,28.496 C4.2@-24.325,28.493 R4.2@-22.225,28.493 -22.225,27.293 -21.932,27 -14.9,27 -13.725,28.175 L1.2@-13.725,30.775 ; v2@-0.323,26.627 C5.2@2.081,26.627 ; C5.2@2.289,26.902 VREF2.4@4.05,26.902 ; C28.1@5.527,18.055 5.529,18.052 7.673,18.052 v2(7.675,18.05) 7.683,18.042 U5.8@7.683,16.068 ; C43.1@5.626,-15.042 v2@7.792,-15.042 ; C39.1@5.627,-2.85 v2(7.675,-2.85) U7.8@7.675,-4.783 ; C33.1@5.652,10.325 v2(7.7,10.325) ; U7.7@7.692,-6.07 U7.8@7.692,-4.8 ; U6.7@7.692,7.22 U6.8@7.692,8.49 7.696,8.494 v2@7.696,10.321 ; U5.7@7.692,14.79 U5.8@7.692,16.06 ; U8.7@7.792,-18.1 U8.8@7.792,-16.83 ; U8.8@7.8,-16.822 v2(7.8,-15.05) ; v2@11.687,29.813 R1.1@11.687,31.337 ; C27.1@21.423,23.7 21.423,24.823 22.3,25.7 v2(22.3,26.8) ; v2@22.312,26.812 VREF1.4@22.312,29.313 ; VREF1.4@22.344,29.344 23.186,29.344 23.392,29.55 24.348,29.55 C1.2@24.35,29.548
  Int2 (Sign) w0.5: v2(-0.325,26.625) 6.925,26.625 10.1,29.8 v2(11.7,29.8)
  Bottom Layer w0.25: C17.1@-20.1,-0.354 -19.246,-0.354 -18.275,-1.325 ADC3.10@-18.275,-2.206 ADC3.9@-18.275,-2.706 ; v1@-19.961,10.211 ADC2.10@-18.289,10.211 ; v1@-19.914,-15.336 -19.291,-15.336 -18.85,-15.777 ADC4.10@-18.275,-15.777 ADC4.9@-18.275,-16.277 ; C7.1@-19.736,24 -19.736,23.086 -19.366,22.716 ADC1.10@-18.275,22.716 ADC1.9@-18.275,22.216 ; ADC2.9@-18.275,9.711 ADC2.10@-18.275,10.211
  Bottom Layer w0.3: v1(-20.1,-1.8) C17.1@-20.1,-0.354 ; v1(-20,-15.25) C22.1@-20,-14.052 ; v1(-20,10.25) C12.1@-20,11.623
  Bottom Layer w0.4: MUX4.13@17.7,-16.525 17.7,-20.075 17.95,-20.325 v1(19,-20.325) ; MUX3.13@17.7,-3.425 17.7,-5.95 v1(19,-7.25) ; MUX2.13@17.7,8.875 17.7,6.275 v2(19,4.975) MUX2.2@19,3.125 ; MUX1.13@17.7,21.374 17.7,18.65 v1(19,17.35) ; MUX4.2@19,-22.275 v1(19,-20.325) ; MUX3.2@19,-9.175 v1(19,-7.25) ; MUX1.2@19,15.624 v1(19,17.35) ; C16.2@20.975,-7.25 v1(19,-7.25) ; C21.2@21.175,-20.375 21.125,-20.325 v1(19,-20.325) ; C6.2@21.2,17.35 v1(19,17.35)
  Bottom Layer w0.5: v2(-26,28.5) -21.95,28.5 -19.736,26.286 C7.1@-19.736,24 ; U2.7@-7.2,7.21 U2.8@-7.2,8.48 v2(-7.2,10.325) C13.1@-4.752,10.325 ; U1.7@-7.2,21.87 U1.8@-7.2,23.14 v2(-7.2,24.875) C8.1@-4.727,24.875 ; U4.7@-7.15,-12.44 U4.8@-7.15,-11.17 v2(-7.15,-9.325) C23.1@-5.027,-9.325 ; v2(-7.15,1.375) C18.1@-4.677,1.375 ; U3.8@-7.137,-0.333 v2@-7.137,1.362 ; U3.7@-7.125,-1.615 U3.8@-7.125,-0.345 ; v2(19,4.975) 21.125,4.975 C11.2@21.2,4.9
  other v1: -17.432,17.331